# Altium PCB GZ7_1_x.PcbDoc (part 1 of 2)
Units mm, origin at the board's own origin, x right, y up, seen from the top; angles counter-clockwise.
Board outline 200 x 97.49 mm, 2 copper layers (Top Layer, Bottom Layer); 179 components, 149 nets, 560 pads, 111 vias.
Unrouted connection lines stored in the file: 122.
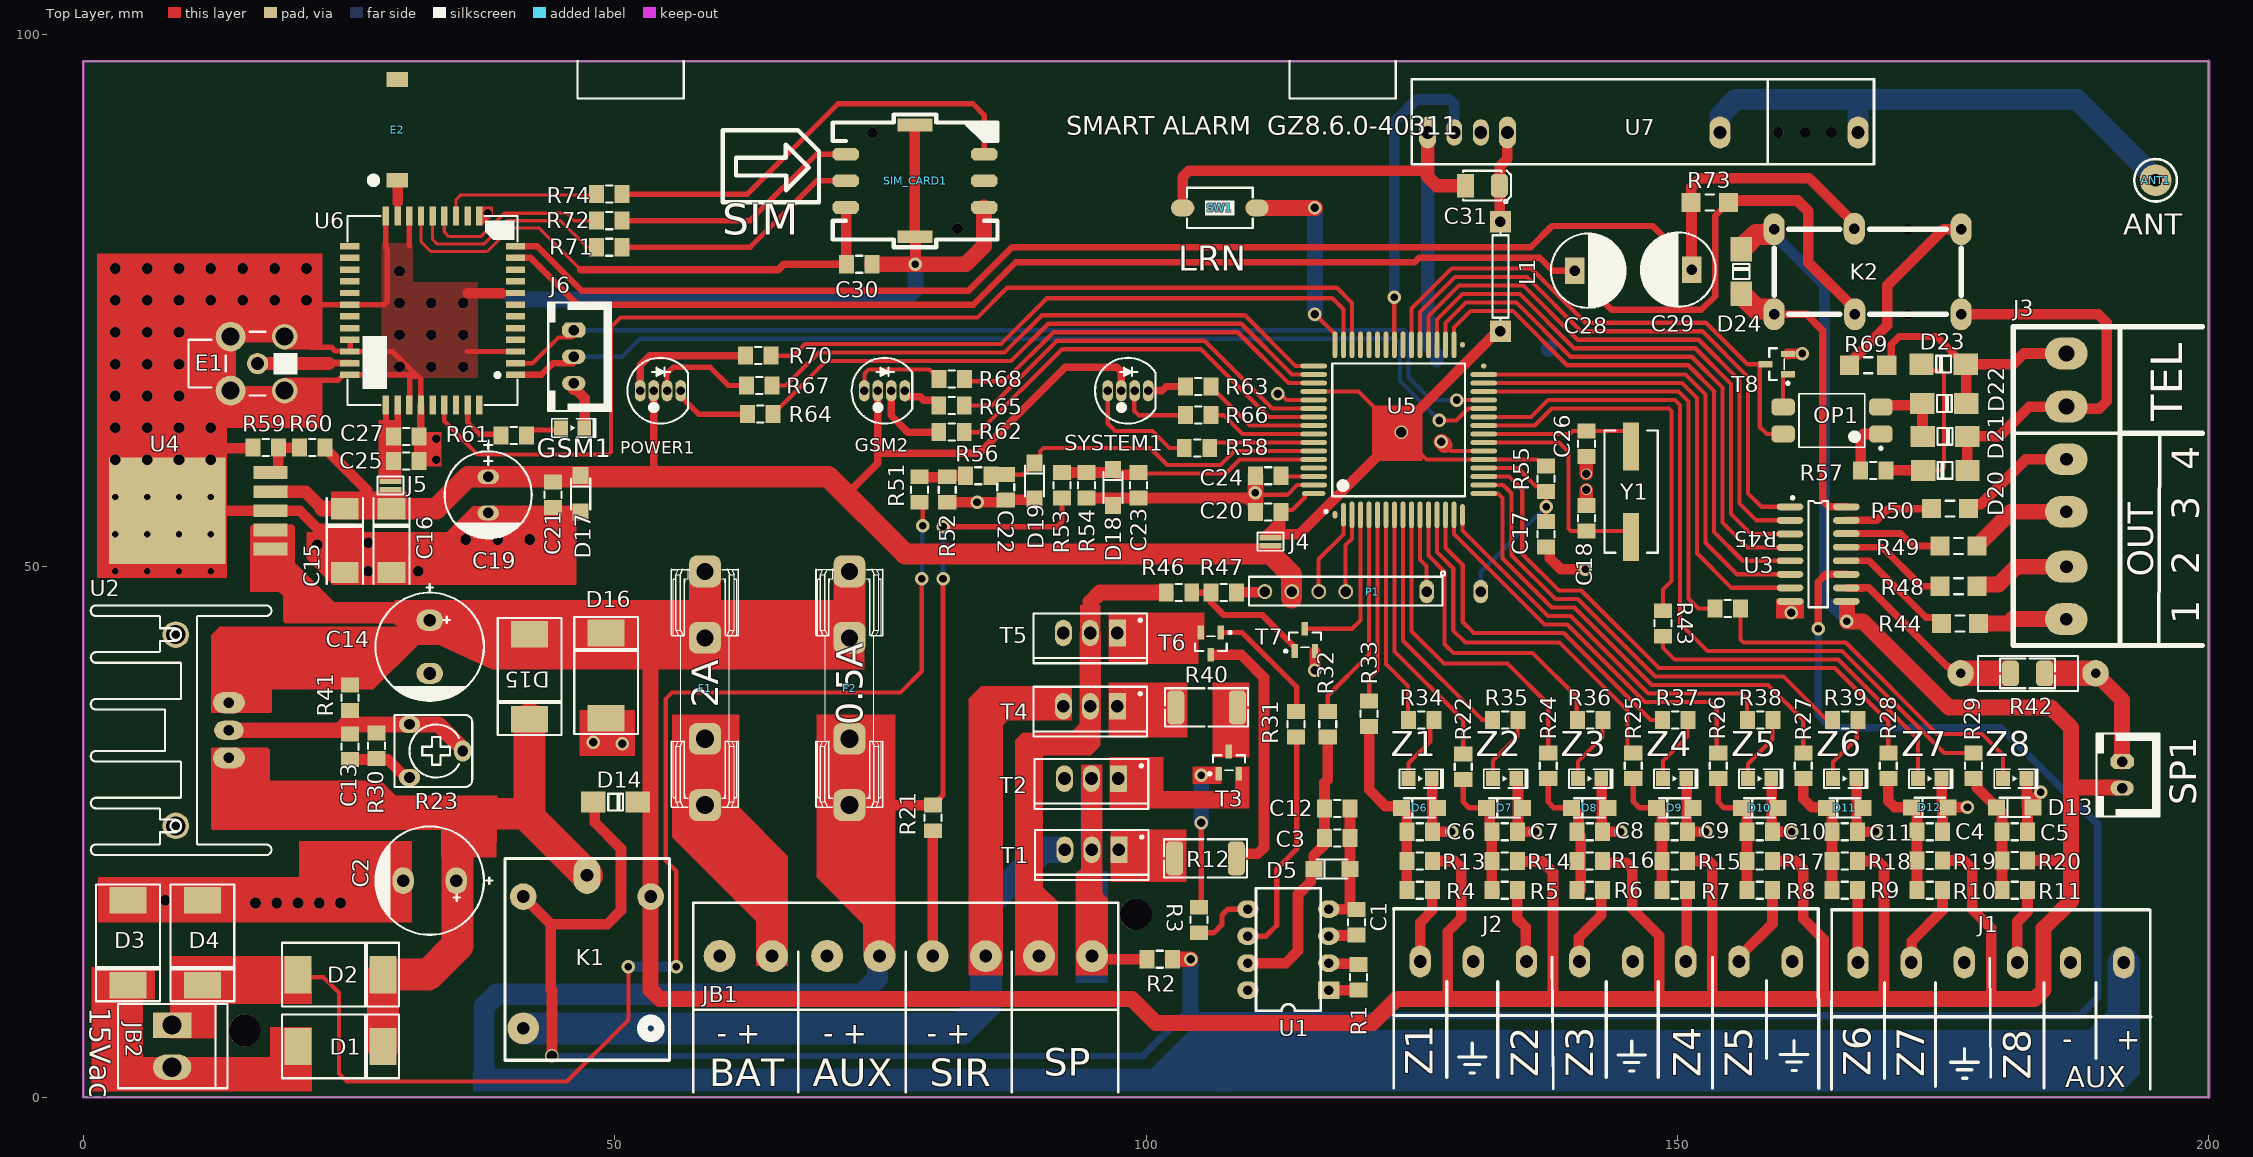
[diagram p0: Top Layer view]
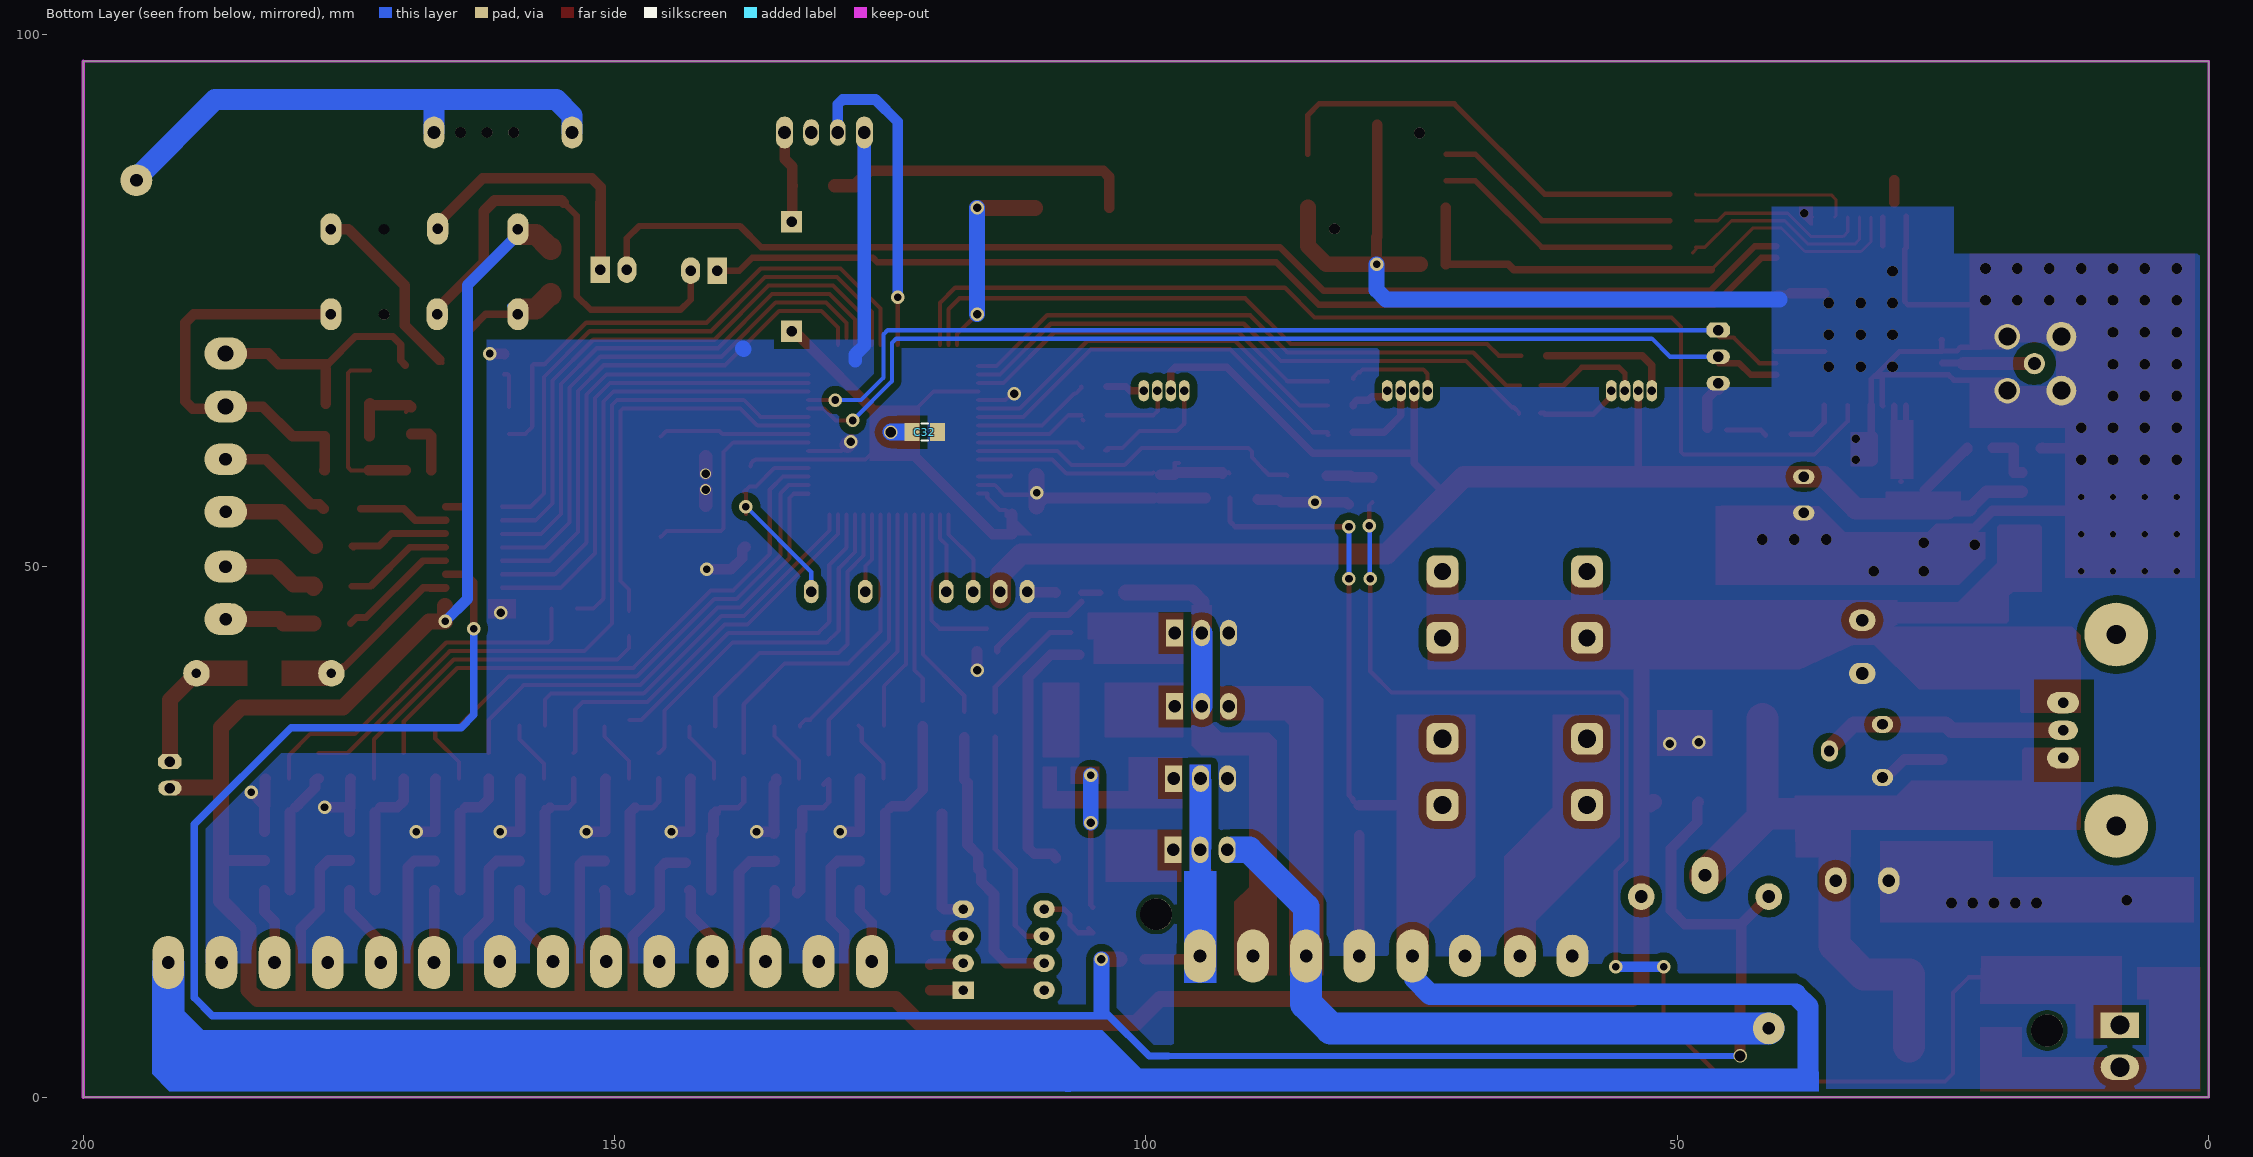
[diagram p1: Bottom Layer view, seen from below]

## Layer stack, top to bottom
Top Solder: solder mask 0.0102, Solder Resist, Dk 3.5
Top Layer: signal copper 0.0356
Dielectric 1: dielectric 0.32, FR-4, Dk 4.8
Bottom Layer: signal copper 0.0356
Bottom Solder: solder mask 0.0102, Solder Resist, Dk 3.5

## Board outline
0,0 0,97.495 200,97.495 200,0

## Design rules (kind name [scope] priority, off if disabled: settings)
Clearance E1 [InNet('NetE1_1')] p1: gap=0.4 ignorepadtopadclearanceinfootprint=TRUE except(0.7: THPad-Text; 1: THPad-THPad THPad-Via THPad-Fill THPad-Poly THPad-Region)
Clearance Clearance_1 [InNet('NetE1_1')] p2: gap=0.254 ignorepadtopadclearanceinfootprint=FALSE except(0: Arc-Hole Track-Hole SMDPad-Hole THPad-Hole Via-Hole Fill-Hole Poly-Hole Region-Hole Text-Hole)
Clearance MIC_N [InNet('MIC_N') vs InNet('MIC_P')] p3: gap=0.2 ignorepadtopadclearanceinfootprint=FALSE
Clearance E2-1 [InNet('NetE2_1')] p4: gap=0.3 ignorepadtopadclearanceinfootprint=FALSE
Clearance [All] p5: gap=0.4 ignorepadtopadclearanceinfootprint=TRUE except(0.2: Arc-SMDPad Track-SMDPad SMDPad-SMDPad; 0.7: Arc-Fill Arc-Poly Arc-Region Track-Fill Track-Poly SMDPad-Fill SMDPad-Poly SMDPad-Region THPad-Fill THPad-Poly THPad-Region Via-Fill Via-Poly Via-Region Fill-Fill Fill-Poly Fill-Region Poly-Poly Poly-Region Region-Region)
Clearance Poligan [All] p6: gap=0.7 ignorepadtopadclearanceinfootprint=FALSE except(0.4: Track-Region)
DiffPairsRouting [All] p1: maxlimit=0.5 minlimit=0.254 mostfreqgap=0.254 toplayer_minwidth=0.381 toplayer_maxwidth=2 toplayer_prefwidth=0.381 bottomlayer_minwidth=0.381 bottomlayer_maxwidth=2 bottomlayer_prefwidth=0.381 maxuncoupledlength=12.7
HoleSize [All] p1: absolutevalues=TRUE maxlimit=10 minlimit=0.025 maxpercent=80.000 minpercent=20.000
MinimumSolderMaskSliver [All] p1: minsoldermaskwidth=0.08
PolygonConnect STYLE-1 [All vs IsNamedPolygon('NONET_L-01_P-001')] p1: connectstyle=Direct reliefconductorwidth=0.254 reliefentries=4 polygonreliefangle="90 Angle" airgapwidth=0.254
PolygonConnect [All] p2: connectstyle=Direct reliefconductorwidth=0.254 reliefentries=4 polygonreliefangle="90 Angle" airgapwidth=0.254
RoutingVias [All] p1: holewidth=0.711 width=1.27 viastyle="Through Hole" minholewidth=0.711 minwidth=1.27 maxholewidth=0.711 maxwidth=1.27
SolderMaskExpansion [All] p1: expansion=0.1 istentingtop=FALSE
SupplyNets "Schematic Supply Nets_4" [InNet('4.1V-J2')] p1: voltage=0.000
SupplyNets "Schematic Supply Nets_3" [InNet('4.1V-J1')] p2: voltage=0.000
SupplyNets "Schematic Supply Nets_1" [InNet('4.1V')] p3: voltage=0.000
SupplyNets "Schematic Supply Nets_6" [InNet('13.6V')] p4: voltage=0.000
SupplyNets "Schematic Supply Nets_5" [InNet('19V-AJIR')] p5: voltage=0.000
SupplyNets "Schematic Supply Nets_2" [InNet('19V')] p6: voltage=0.000
SupplyNets "Schematic Supply Nets" [InNet('GND')] p7: voltage=0.000
Width [All] p1: maxlimit=4 minlimit=0.254 preferedwidth=0.254
27 further rules are at their usual default settings.

## Classes and differential pairs
component class U_GZ7_1_x-TEL: C28 C29 D13 D21 D22 D23 K2 OP1 R11 R57 R61 T8
component class U_GZ7_1_x-ZON: C7 C15 C19 C21 C22 C25 C30 D10 D11 D13 D19 R3 R9 R11 R13 R19 R25 R31 R35 R36 R40 R48 R52 R53 R58 R61 R62 R64 R65 R66 R68 R71 R72
component class U_GZ7_1_x-User_Interface: GSM1 POWER1 R3 R9 R25 R31 R35 R36 R38 R57 R58 R62 R64 R65 R66 R68 R70 SW1 SYSTEM1 Z1 Z2 Z3 Z4 Z5 Z6 Z7 Z8
component class U_GZ7_1_x-ULN2003: R42 R44 R48 R50 U6
component class U_GZ7_1_x-SIM800C: C7 C15 C21 C25 C27 C30 D13 E1 E2 GSM1 J2 R61 R71 R72 R74 SIM_CARD1 U6
component class U_GZ7_1_x-REMOT: C15 L1 U7
component class U_GZ7_1_x-POWER: C1 C2 C19 C22 C23 C25 D3 D4 D5 D10 D11 D19 F1 F2 R31 R41 R50 R52 R53 R54 R58 R60 R68 R72 U2 U7
component class U_GZ7_1_x-CORE: C1 C3 C7 C17 J4 P1 R55 U7 Y1
component class Main: ANT1 J2 J4 JB1 SP1
component class U_GZ7_1_x-ALARM: C1 C3 C23 D5 D14 K1 R3 R31 R40 R41 R46 R48 R50 R70 T1 T3 T5 T6 T7 U2

## Components (designator, comment, footprint, x,y, rotation, side; value= is the part's Value field where it differs from the comment)
ANT1 "ANT" PAD-ANT 195,86.295 r0 top
C1 "3n3/805" "MY805 COP" 119.8,16.495 r270 top (schematic designator C26)
C2 "2200uF/35v" C_EL_10X16 32.6,20.395 r180 top value=3300uF25V
C3 "100NF/805" "MY805 COP" 118,24.395 r180 top (schematic designator C24)
C4 "100NF/805" "MY805 COP" 173.75,24.995 r180 top (schematic designator C31)
C5 "100NF/805" "MY805 COP" 181.75,24.995 r180 top (schematic designator C32)
C6 "100NF/805" "MY805 COP" 125.75,24.995 r180 top (schematic designator C14)
C7 "100NF/805" "MY805 COP" 133.75,24.995 r180 top (schematic designator C16)
C8 "100NF/805" "MY805 COP" 141.75,24.995 r180 top (schematic designator C17)
C9 "100NF/805" "MY805 COP" 149.75,24.995 r180 top (schematic designator C21)
C10 "100NF/805" "MY805 COP" 157.75,24.995 r180 top (schematic designator C27)
C11 "100NF/805" "MY805 COP" 165.75,24.995 r180 top (schematic designator C28)
C12 "100NF/805" "MY805 COP" 118,27.195 r180 top (schematic designator C25)
C13 "100NF/805" "MY805 COP" 25.1,32.995 r90 top (schematic designator C1)
C14 "1000uF/25v" C_EL_10X16 32.6,42.395 r270 top (schematic designator C3)
C15 "47uF/TANTAL-C" C-TT1 24.605,52.395 r270 top (schematic designator C4)
C16 "47uF/TANTAL-C" C-TT1 29.005,52.395 r270 top (schematic designator C5)
C17 "100NF/805" "MY805 COP" 137.65,52.995 r270 top value=100pF (schematic designator C19)
C18 "22pF/805" "MY805 COP" 141.45,54.495 r90 top value=22pF (schematic designator C20)
C19 "220uF/25v" C_EL_8X14 38.105,56.695 r270 top (schematic designator C8)
C20 "100NF/805" "MY805 COP" 111.5,55.095 r180 top value=100pF (schematic designator C13)
C21 "100NF/805" "MY805 COP" 44.205,56.695 r270 top (schematic designator C9)
C22 "100NF/805" "MY805 COP" 86.8,57.395 r90 top (schematic designator C11)
C23 "100NF/805" "MY805 COP" 99.3,57.595 r90 top (schematic designator C12)
C24 "100NF/805" "MY805 COP" 111.5,58.495 r180 top value=100pF (schematic designator C23)
C25 "33pF/805" "MY805 COP" 30.405,59.895 r0 top value=100NF (schematic designator C6)
C26 "22pF/805" "MY805 COP" 141.45,61.495 r270 top value=22pF (schematic designator C18)
C27 "10pF/805" "MY805 COP" 30.405,62.195 r0 top value=10pF (schematic designator C7)
C28 "100uF/25V" "CAP ELECTROLITIC RADIAL 6X7-2.5" 141.6,77.795 r0 top value=100uF (schematic designator C29)
C29 "100uF/25V" "CAP ELECTROLITIC RADIAL 6X7-2.5" 150.1,77.895 r180 top value=100uF (schematic designator C30)
C30 "100NF/805" "MY805 COP" 73.005,78.395 r180 top (schematic designator C10)
C31 "10uF/TANTAL-E" C_TN_3528 131.65,85.795 r180 top (schematic designator C15)
C32 "100NF/805" "MY805 COP" 120.805,62.595 r180 bottom value=100pF (schematic designator C22)
D1 "1N5408(S3M)" DIOD_5408 24.205,4.795 r90 top (schematic designator D3)
D2 "1N5408(S3M)" DIOD_5408 24.205,11.545 r90 top (schematic designator D4)
D3 "1N5408(S3M)" DIOD_5408 4.205,14.545 r0 top (schematic designator D1)
D4 "1N5408(S3M)" DIOD_5408 11.205,14.545 r0 top (schematic designator D2)
D5 "3v3/Zener" my-DO5X.1.5 117.5,21.495 r0 top (schematic designator D15)
D6 "3v9/Zener" MY-DO5X.1.5 125.75,27.245 r0 top (schematic designator D10)
D7 "3v9/Zener" MY-DO5X.1.5 133.75,27.245 r0 top (schematic designator D11)
D8 "3v9/Zener" MY-DO5X.1.5 141.75,27.245 r0 top (schematic designator D12)
D9 "3v9/Zener" MY-DO5X.1.5 149.75,27.245 r0 top (schematic designator D13)
D10 "3v9/Zener" my-DO5X.1.5 157.75,27.245 r0 top (schematic designator D16)
D11 "3v9/Zener" my-DO5X.1.5 165.75,27.245 r0 top (schematic designator D18)
D12 "3v9/Zener" my-DO5X.1.5 173.75,27.295 r0 top (schematic designator D19)
D13 "3v9/Zener" my-DO5X.1.5 181.75,27.295 r0 top (schematic designator D24)
D14 "1N4001" "DIODE 1N4007 SMD" 48,27.795 r0 top
D15 "1N5408(S3M)" DIOD_5408 42,39.595 r0 top (schematic designator D5)
D16 "1N5408(S3M)" DIOD_5408 49.2,39.695 r180 top (schematic designator D6)
D17 "5v1/Zener" MY-DO5X.1.5 46.8,56.795 r270 top (schematic designator D7)
D18 "3v9/Zener" MY-DO5X.1.5 96.9,57.395 r270 top (schematic designator D9)
D19 "3v9/Zener" MY-DO5X.1.5 89.5,57.995 r270 top (schematic designator D8)
D20 "1N4007(M7)" "Diode 1N4007 SMD" 177.3,58.995 r180 top (schematic designator D22)
D21 "1N4007(M7)" "Diode 1N4007 SMD" 173.1,62.195 r0 top
D22 "1N4007(M7)" "Diode 1N4007 SMD" 173.025,65.295 r0 top (schematic designator D20)
D23 "1N4007(M7)" "Diode 1N4007 SMD" 177.15,68.995 r180 top
D24 "1N4007(M7)" "Diode 1N4007 SMD" 156,75.62 r90 top (schematic designator D17)
E1 "SMA_Right" MCX5.08-H5 16.405,69.045 r0 top
E2 "AN9520" ANT-SMD 29.555,86.295 r90 top
F1 "2A" "FUSE 5X20 WITH HOLDER PIN" 58.505,38.495 r0 top
F2 "0.5A" "FUSE 5X20 WITH HOLDER PIN" 72.105,38.495 r0 top
GSM1 "LED RED/0805" LED_SMD_0805 46.05,62.995 r180 top (schematic designator GSM2)
GSM2 "LED_RGB" LED5RGB 75.405,66.495 r0 top locked (schematic designator GSM)
J1 "CONN_TB6" CON-Z_5_8 167,12.695 r0 top (schematic designator J6)
J2 "CONN_TB8" CON-Z_1_4 125.8,12.795 r0 top (schematic designator J5)
J3 "CONN_TB6" T_4_OUT_TEL 186.6,45 r90 top (schematic designator J4)
J4 "JUMP2" JUMP3 111.705,52.657 r0 top (schematic designator J3)
J5 "JUMP2" JUMP3 28.905,57.957 r0 top (schematic designator J1)
J6 "XH_3" XH_3 46.15,69.695 r270 top (schematic designator J2)
JB1 "KF128, 8-Pin" CON8-AUX 59.88,13.307 r0 top value=CONN_TB8 (schematic designator JB2)
JB2 "Power-2pin" PWL_2 8.364,4.821 r270 top value=CONN_PWL_2 (schematic designator JB1)
K1 "Relay_Milon/12v" REL 46.407,14.886 r0 top
K2 "RELAY-12V / 8PIN" MY_REL2 166.7,73.695 r270 top
L1 "10uH-1/4w" Resistor_0.25w-0.4 133.35,77.247 r90 top
OP1 "2501" "SMT Gullwing Lead-Form" 164.55,63.695 r180 top
P1 "Header 7pin" HDR_P_GZ4 118.8,47.595 r180 top
POWER1 "LED_RGB" LED5RGB 54.305,66.495 r0 top locked (schematic designator POWER)
R1 "150K/805" my805 120,11.295 r270 top (schematic designator R54)
R2 "150K/805" MY805 101.3,12.995 r180 top (schematic designator R25)
R3 "1K/805" MY805 105,16.695 r90 top (schematic designator R37)
R4 "1K/805" MY805 125.75,19.495 r180 top (schematic designator R35)
R5 "1K/805" MY805 133.75,19.495 r180 top (schematic designator R42)
R6 "1K/805" my805 141.75,19.495 r180 top (schematic designator R45)
R7 "1K/805" MY805 149.75,19.495 r180 top (schematic designator R50)
R8 "1K/805" my805 157.75,19.495 r180 top (schematic designator R56)
R9 "1K/805" my805 165.75,19.495 r180 top (schematic designator R63)
R10 "1K/805" my805 173.75,19.495 r180 top (schematic designator R66)
R11 "1K/805" my805 181.75,19.495 r180 top (schematic designator R69)
R12 "330R/1W" R2512 105.6,22.495 r180 top (schematic designator R31)
R13 "43K/805" MY805 125.75,22.245 r180 top (schematic designator R36)
R14 "43K/805" MY805 133.75,22.245 r180 top (schematic designator R41)
R15 "43K/805" MY805 141.75,22.245 r180 top (schematic designator R46)
R16 "43K/805" MY805 149.75,22.245 r180 top (schematic designator R51)
R17 "43K/805" my805 157.75,22.245 r180 top (schematic designator R55)
R18 "43K/805" my805 165.75,22.245 r180 top (schematic designator R62)
R19 "43K/805" my805 173.75,22.295 r180 top (schematic designator R65)
R20 "43K/805" my805 181.75,22.295 r180 top (schematic designator R68)
R21 "3K3/805" MY805 79.955,26.295 r90 top (schematic designator R13)
R22 "22R/805" MY805 129.85,31.095 r270 top (schematic designator R39)
R23 "POT10K" POT_7X5 33.2,32.595 r270 top (schematic designator R5)
R24 "22R/805" MY805 137.85,31.195 r270 top (schematic designator R40)
R25 "22R/805" MY805 145.85,31.195 r270 top (schematic designator R43)
R26 "22R/805" my805 153.85,31.195 r270 top (schematic designator R57)
R27 "22R/805" my805 161.85,31.195 r270 top (schematic designator R64)
R28 "22R/805" my805 169.85,31.195 r270 top (schematic designator R67)
R29 "22R/805" my805 177.85,31.195 r270 top (schematic designator R70)
R30 "150R/805" MY805 27.6,33.095 r90 top (schematic designator R4)
R31 "1K/805" MY805 114.1,35.095 r270 top (schematic designator R34)
R32 "1K/805" my805 117.1,35.095 r90 top (schematic designator R53)
R33 "22R/805" MY805 121,36.095 r270 top (schematic designator R38)
R34 "1K/805" MY805 125.9,35.5 r180 top (schematic designator R23)
R35 "1K/805" MY805 133.8,35.5 r180 top (schematic designator R26)
R36 "1K/805" MY805 141.8,35.5 r180 top (schematic designator R22)
R37 "1K/805" MY805 149.8,35.5 r180 top (schematic designator R27)
R38 "1K/805" my805 157.8,35.5 r180 top (schematic designator R58)
R39 "1K/805" my805 165.8,35.5 r180 top (schematic designator R71)
R40 "330R/1W" R2512 105.7,36.695 r180 top (schematic designator R24)
R41 "1K/805" MY805 25.1,37.595 r90 top (schematic designator R2)
R42 "4R7/1206" RES-(1/2)DS 176.65,39.895 r0 top (schematic designator R52)
R43 "1K/805" my805 148.65,44.595 r90 top (schematic designator R72)
R44 "33R/1206" MY1206 176.6,44.595 r0 top (schematic designator R49)
R45 "1K/805" my805 154.75,45.995 r180 top (schematic designator R73)
R46 "150K/805" MY805 103.1,47.495 r0 top (schematic designator R32)
R47 "33K/805" MY805 107.3,47.495 r0 top (schematic designator R33)
R48 "33R/1206" MY1206 176.45,48.095 r0 top (schematic designator R47)
R49 "33R/1206" MY1206 176.45,51.895 r0 top (schematic designator R48)
R50 "33R/1206" MY1206 175.65,55.395 r0 top (schematic designator R59)
R51 "1K/805" MY805 78.7,57.195 r90 top (schematic designator R17)
R52 "1K/805" MY805 81.3,57.195 r90 top (schematic designator R18)
R53 "10K/805" MY805 92.1,57.595 r270 top (schematic designator R20)
R54 "1K/805" MY805 94.4,57.595 r90 top (schematic designator R19)
R55 "2K2/805" MY805 137.65,58.195 r270 top value=10K (schematic designator R44)
R56 "1K/805" MY805 84.2,58.495 r0 top (schematic designator R21)
R57 "39k/805" MY805 168.45,58.995 r180 top (schematic designator R45)
R58 "470R/805" MY805 104.8,61.095 r0 top (schematic designator R30)
R59 "43K/805" MY805 17.155,61.145 r0 top (schematic designator R1)
R60 "100K/805" MY805 21.53,61.145 r0 top (schematic designator R3)
R61 "2K2/805" MY805 40.505,62.295 r180 top (schematic designator R6)
R62 "2K2/805" MY805 81.7,62.595 r0 top (schematic designator R15)
R63 "2K2/805" MY805 104.9,64.195 r0 top (schematic designator R29)
R64 "270R/805" MY805 63.7,64.295 r0 top (schematic designator R10)
R65 "270R/805" MY805 81.7,65.095 r0 top (schematic designator R14)
R66 "270R/805" MY805 104.9,66.895 r0 top (schematic designator R28)
R67 "2K2/805" MY805 63.6,66.995 r0 top (schematic designator R11)
R68 "470R/805" MY805 81.705,67.595 r0 top (schematic designator R16)
R69 "120R/1206" my1206 167.95,68.895 r180 top value=10K (schematic designator R61)
R70 "470R/805" MY805 63.5,69.795 r0 top (schematic designator R12)
R71 "22R/805" MY805 49.505,79.995 r180 top value=22R (schematic designator R7)
R72 "22R/805" MY805 49.505,82.495 r180 top value=22R (schematic designator R8)
R73 "120R/1206" my1206 153.05,84.195 r0 top value=10K (schematic designator R60)
R74 "22R/805" MY805 49.505,84.995 r180 top value=22R (schematic designator R9)
SIM_CARD1 "SIMCARD6PIN" MINSIM 84.765,88.735 r180 top
SP1 "XH_2" XH_2 191.85,30.345 r270 top (schematic designator SP)
SW1 "LRN" SWPBS_SPST_6X3X5 106.95,83.695 r0 top
SYSTEM1 "LED_RGB" LED5RGB 98.305,66.495 r0 top locked (schematic designator SYSTEM)
T1 "TIP42" "TO-220 AB" 94.9,23.295 r180 top (schematic designator T4)
T2 "TIP41" "TO-220 AB" 94.86,29.995 r180 top (schematic designator T3)
T3 "C945" SOT23_N 107.8,31.495 r90 top (schematic designator T5)
T4 "TIP42" "TO-220 AB" 94.76,36.795 r180 top (schematic designator T1)
T5 "TIP41" "TO-220 AB" 94.76,43.695 r180 top (schematic designator T2)
T6 "C945" SOT23_N 106.1,42.695 r270 top
T7 "C945" SOT23_N 114.95,43.045 r90 top
T8 "C945" SOT23_N 159.35,68.995 r180 top
U1 "M3763A-1C" DIP8 117.2,10.095 r180 top (schematic designator U7)
U2 "L78M12CV" HSINK_TO220E 13.605,34.545 r90 top (schematic designator U1)
U3 "ULN2003A/SMD" SO-16 163.25,51.12 r0 top (schematic designator U6)
U4 "MIC29302" MY29302 12.505,55.195 r90 top (schematic designator U2)
U5 "ATmega64A" TQFP64_GZ4E_1 123.78,62.82 r90 top locked (schematic designator U4)
U6 "SIM800C" SIM800C_2 40.675,67.991 r270 top locked (schematic designator U3)
U7 "RXB6" RXB_6 126.505,90.795 r0 top (schematic designator U5)